# Altium PCB RockerBox_Rev04.PcbDoc (part 6 of 9)
Units mil, origin at the board's own origin, x right, y up, seen from the top; angles counter-clockwise.
Board outline 5354.33 x 8818.9 mil, 4 copper layers (L1, L2, L3, L4), stack 62.087 mil thick; 582 components, 159 nets, 3630 pads, 4701 vias.
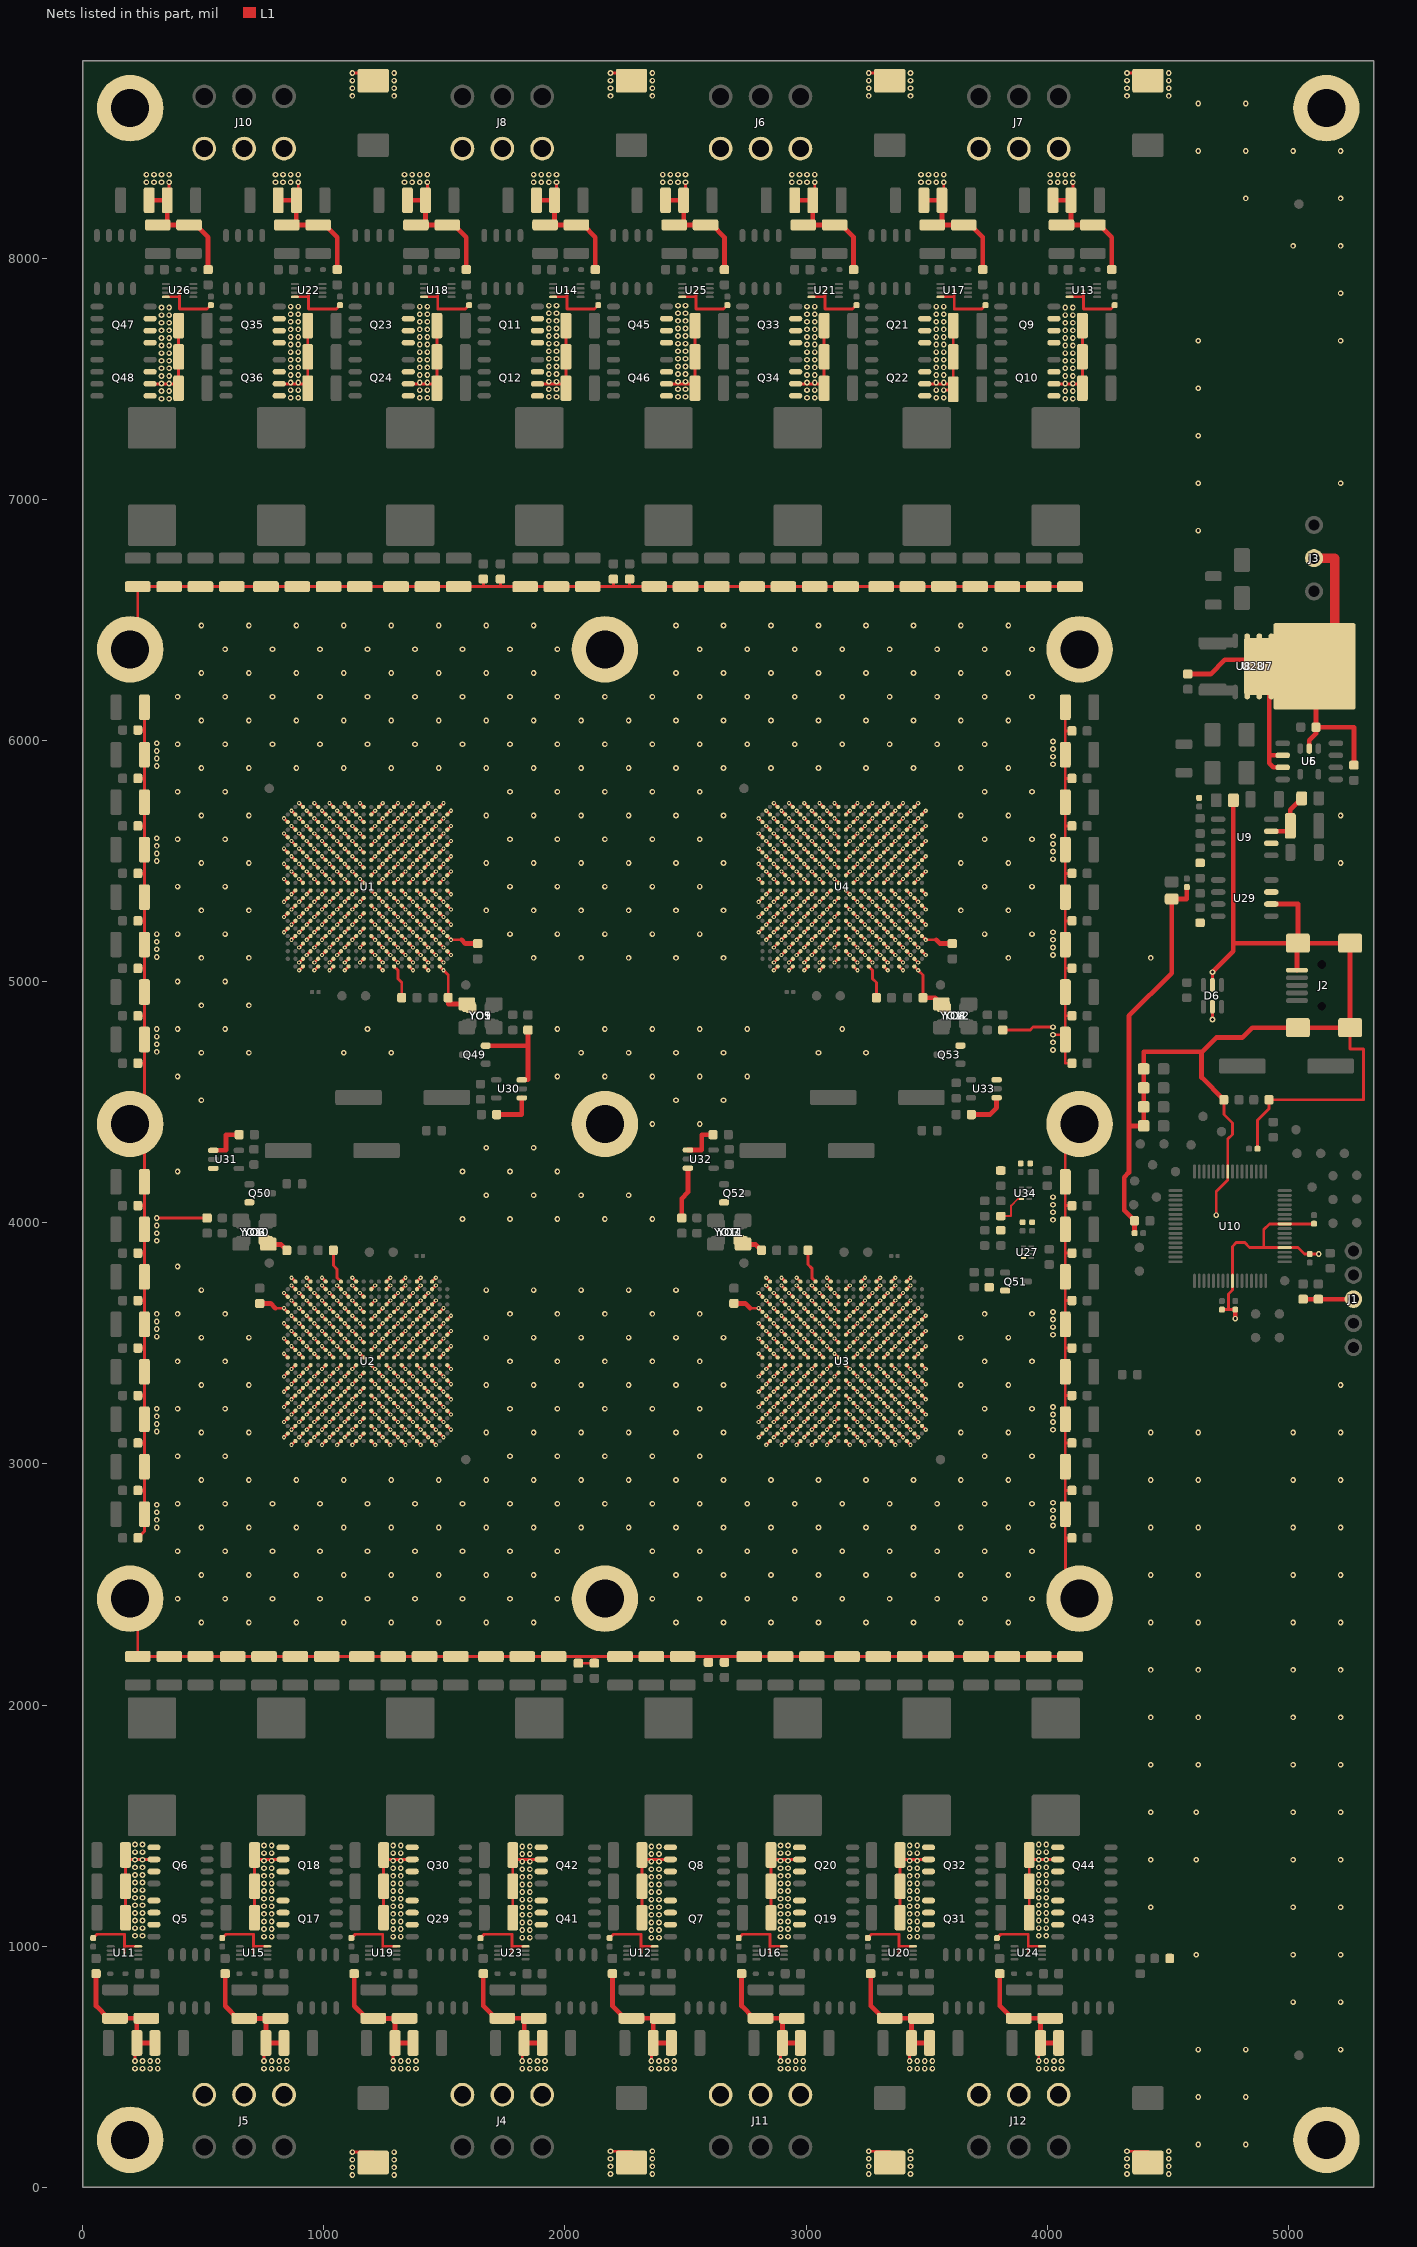
[diagram p8: the nets of this part, all layers, seen from the top]

## Via types
v1: diameter 23.62/23.62/23.62/23.62 (per signal layer), hole 11.81, L1 to L4, 2848 vias
v2: diameter 17.72/17.72/17.72/17.72 (per signal layer), hole 7.87, L1 to L4, 1853 vias

## Nets (pads, with @x,y where several pads share a name; then routed paths per layer and width w, separated by ;. In a path a pad name is that pad's centre, name@x,y a point inside that pad or via, vN(x,y) a via of type N, cw(c..) or ccw(c..) an arc to the next point about the centre after c; other vN are vias at no path point) (continued)
GND: (continued)
  L1 w11.81: C24.2@43.31,1033.46 59.06,1049.21 173.23,1049.21 173.23,999.02 U11.9@173.23,972.44 ; C410.1@177.17,1118.11 C408.1@177.17,1248.03 C409.1@177.17,1359.65 ; C409.1@177.17,1377.95 C409.1@177.17,1359.65 ; J18.1@196.85,2440.94 228.35,2409.45 228.35,2201.7 C35.1@228.66,2201.39 C236.1@358.58,2201.39 C34.1@488.5,2201.39 621.45,2201.39 C67.1@622.05,2200.79 2122.05,2200.79 ; J15.1@196.85,6377.95 228.35,6409.45 C147.1@228.35,6637.8 1661.42,6637.8 ; v1(216.54,523.62) 216.54,590.55 C420.1@224.41,598.43 ; C179.1@228.35,2692.91 255.91,2720.47 C215.1@255.91,2791.34 255.91,2889.76 ; C180.1@228.35,2889.76 255.91,2889.76 ; C182.1@228.35,3086.61 255.91,3086.61 ; C183.1@228.35,3283.46 255.91,3283.46 ; C184.1@228.35,3480.31 255.91,3480.31 ; C178.1@228.35,3677.17 255.91,3677.17 ; C177.1@228.35,3874.02 255.91,3874.02 ; C181.1@228.35,4070.87 255.91,4070.87 ; C148.1@228.35,4661.42 255.91,4661.42 ; C152.1@228.35,4858.27 255.91,4858.27 ; C151.1@228.35,5055.12 255.91,5055.12 ; C153.1@228.35,5251.97 255.91,5251.97 ; C149.1@228.35,5448.82 255.91,5448.82 ; C154.1@228.35,5645.67 255.91,5645.67 ; C155.1@228.35,5842.52 255.91,5842.52 ; C36.1@228.35,6043.31 255.91,6043.31 ; C157.1@255.91,6137.8 255.91,6043.31 ; Q48.2@279.53,7478.94 C370.1@397.64,7478.94 ; Q6.2@295.28,1359.65 C409.1@177.17,1359.65 ; v1(307.28,4019.68) C228.1@515.75,4019.68 ; C368.1@350.39,8240.16 358.27,8248.03 v1(358.27,8314.96) ; C370.1@397.64,7460.63 C370.1@397.64,7478.94 ; C372.1@397.64,7720.47 C371.1@397.64,7590.55 C370.1@397.64,7478.94 ; U26.9@401.57,7866.14 401.57,7839.57 401.57,7789.37 515.75,7789.37 C123.2@531.5,7805.12 ; C56.2@578.74,1033.46 594.49,1049.21 708.66,1049.21 708.66,999.02 U15.9@708.66,972.44 ; C413.1@712.6,1118.11 C411.1@712.6,1248.03 C412.1@712.6,1359.65 ; C412.1@712.6,1377.95 C412.1@712.6,1359.65 ; v1(751.97,523.62) 751.97,590.55 C422.1@759.84,598.43 ; 799.21,3645.67 v2(834.65,3645.67) U2.A18@850.39,3629.92 ; Q36.2@814.96,7478.94 C365.1@933.07,7478.94 ; Q18.2@830.71,1359.65 C412.1@712.6,1359.65 ; v2(834.65,3110.24) U2.A2@850.39,3125.98 ; v2(834.65,3173.23) U2.A4@850.39,3188.98 ; v2(834.65,3236.22) U2.A6@850.39,3251.97 ; v2(834.65,3299.21) U2.A8@850.39,3314.96 ; v2(834.65,3362.2) U2.A10@850.39,3377.95 ; v2(834.65,3456.69) U2.A12@850.39,3440.94 ; v2(834.65,3519.68) U2.A14@850.39,3503.94 ; v2(834.65,3582.68) U2.A16@850.39,3566.93 ; v2(834.65,3708.66) U2.A20@850.39,3692.91 ; v2(834.65,5204.72) U1.AB17@850.39,5220.47 ; v2(834.65,5267.72) U1.AB15@850.39,5283.46 ; v2(834.65,5330.71) U1.AB13@850.39,5346.46 ; v2(834.65,5425.2) U1.AB11@850.39,5409.45 ; v2(834.65,5488.19) U1.AB9@850.39,5472.44 ; v2(834.65,5551.18) U1.AB7@850.39,5535.43 ; v2(834.65,5614.17) U1.AB5@850.39,5598.43 ; v2(834.65,5677.17) U1.AB3@850.39,5661.42 ; v2(866.14,3078.74) U2.B1@881.89,3094.49 ; v2(866.14,3141.73) U2.B3@881.89,3157.48 ; v2(866.14,3204.72) U2.B5@881.89,3220.47 ; v2(866.14,3267.72) U2.B7@881.89,3283.46 ; v2(866.14,3330.71) U2.B9@881.89,3346.46 ; v2(866.14,3393.7) U2.B11@881.89,3409.45 ; v2(866.14,3488.19) U2.B13@881.89,3472.44 ; v2(866.14,3551.18) U2.B15@881.89,3535.43 ; v2(866.14,3614.17) U2.B17@881.89,3598.43 ; v2(866.14,3677.17) U2.B19@881.89,3661.42 ; v2(866.14,3740.16) U2.B21@881.89,3724.41 ; v2(866.14,3771.65) U2.B22@881.89,3755.91 ; v2(866.14,5173.23) U1.AA18@881.89,5188.98 ; v2(866.14,5236.22) U1.AA16@881.89,5251.97 ; v2(866.14,5299.21) U1.AA14@881.89,5314.96 ; v2(866.14,5362.2) U1.AA12@881.89,5377.95 ; v2(866.14,5456.69) U1.AA10@881.89,5440.94 ; v2(866.14,5519.68) U1.AA8@881.89,5503.94 ; v2(866.14,5582.68) U1.AA6@881.89,5566.93 ; v2(866.14,5645.67) U1.AA4@881.89,5629.92 ; v2(866.14,5708.66) U1.AA2@881.89,5692.91 ; C363.1@885.83,8240.16 893.7,8248.03 v1(893.7,8314.96) ; v2(897.64,3110.24) U2.C2@913.39,3125.98 ; v2(897.64,3173.23) U2.C4@913.39,3188.98 ; v2(897.64,3236.22) U2.C6@913.39,3251.97 ; v2(897.64,3299.21) U2.C8@913.39,3314.96 ; v2(897.64,3362.2) U2.C10@913.39,3377.95 ; v2(897.64,3456.69) U2.C12@913.39,3440.94 ; v2(897.64,3519.68) U2.C14@913.39,3503.94 ; v2(897.64,3582.68) U2.C16@913.39,3566.93 ; v2(897.64,3645.67) U2.C18@913.39,3629.92 ; v2(897.64,3708.66) U2.C20@913.39,3692.91 ; v2(897.64,5047.24) U1.Y22@913.39,5062.99 ; v2(897.64,5078.74) U1.Y21@913.39,5094.49 ; v2(897.64,5141.73) U1.Y19@913.39,5157.48 ; v2(897.64,5204.72) U1.Y17@913.39,5220.47 ; v2(897.64,5267.72) U1.Y15@913.39,5283.46 ; v2(897.64,5330.71) U1.Y13@913.39,5346.46 ; v2(897.64,5425.2) U1.Y11@913.39,5409.45 ; v2(897.64,5488.19) U1.Y9@913.39,5472.44 ; v2(897.64,5551.18) U1.Y7@913.39,5535.43 ; v2(897.64,5614.17) U1.Y5@913.39,5598.43 ; v2(897.64,5677.17) U1.Y3@913.39,5661.42 ; v2(897.64,5740.16) U1.Y1@913.39,5724.41 ; v2(929.13,3078.74) U2.D1@944.88,3094.49 ; v2(929.13,3141.73) U2.D3@944.88,3157.48 ; v2(929.13,3204.72) U2.D5@944.88,3220.47 ; v2(929.13,3267.72) U2.D7@944.88,3283.46 ; v2(929.13,3330.71) U2.D9@944.88,3346.46 ; v2(929.13,3393.7) U2.D11@944.88,3409.45 ; v2(929.13,3488.19) U2.D13@944.88,3472.44 ; v2(929.13,3551.18) U2.D15@944.88,3535.43 ; v2(929.13,3614.17) U2.D17@944.88,3598.43 ; v2(929.13,3677.17) U2.D19@944.88,3661.42 ; v2(929.13,3740.16) U2.D21@944.88,3724.41 ; v2(929.13,3771.65) U2.D22@944.88,3755.91 ; v2(929.13,5110.24) U1.W20@944.88,5125.98 ; v2(929.13,5173.23) U1.W18@944.88,5188.98 ; v2(929.13,5236.22) U1.W16@944.88,5251.97 ; v2(929.13,5299.21) U1.W14@944.88,5314.96 ; v2(929.13,5362.2) U1.W12@944.88,5377.95 ; v2(929.13,5456.69) U1.W10@944.88,5440.94 ; v2(929.13,5519.68) U1.W8@944.88,5503.94 ; v2(929.13,5582.68) U1.W6@944.88,5566.93 ; v2(929.13,5645.67) U1.W4@944.88,5629.92 ; v2(929.13,5708.66) U1.W2@944.88,5692.91 ; C365.1@933.07,7460.63 C365.1@933.07,7478.94 ; C367.1@933.07,7720.47 C365.1@933.07,7478.94 ; U22.9@937.01,7866.14 937.01,7839.57 937.01,7789.37 1051.18,7789.37 C91.2@1066.93,7805.12 ; v2(960.63,3110.24) U2.E2@976.38,3125.98 ; v2(960.63,3173.23) U2.E4@976.38,3188.98 ; v2(960.63,3236.22) U2.E6@976.38,3251.97 ; v2(960.63,3299.21) U2.E8@976.38,3314.96 ; v2(960.63,3362.2) U2.E10@976.38,3377.95 ; v2(960.63,3456.69) U2.E12@976.38,3440.94 ; v2(960.63,3519.68) U2.E14@976.38,3503.94 ; v2(960.63,3582.68) U2.E16@976.38,3566.93 ; v2(960.63,3645.67) U2.E18@976.38,3629.92 ; v2(960.63,3708.66) U2.E20@976.38,3692.91 ; v2(960.63,5047.24) U1.V22@976.38,5062.99 ; v2(960.63,5078.74) U1.V21@976.38,5094.49 ; v2(960.63,5141.73) U1.V19@976.38,5157.48 ; v2(960.63,5204.72) U1.V17@976.38,5220.47 ; v2(960.63,5267.72) U1.V15@976.38,5283.46 ; v2(960.63,5330.71) U1.V13@976.38,5346.46 ; v2(960.63,5425.2) U1.V11@976.38,5409.45 ; v2(960.63,5488.19) U1.V9@976.38,5472.44 ; v2(960.63,5551.18) U1.V7@976.38,5535.43 ; v2(960.63,5614.17) U1.V5@976.38,5598.43 ; v2(960.63,5677.17) U1.V3@976.38,5661.42 ; v2(960.63,5740.16) U1.V1@976.38,5724.41 ; v2(992.13,3078.74) U2.F1@1007.87,3094.49 ; v2(992.13,3141.73) U2.F3@1007.87,3157.48 ; v2(992.13,3204.72) U2.F5@1007.87,3220.47 ; v2(992.13,3267.72) U2.F7@1007.87,3283.46 ; v2(992.13,3330.71) U2.F9@1007.87,3346.46 ; v2(992.13,3393.7) U2.F11@1007.87,3409.45 ; v2(992.13,3488.19) U2.F13@1007.87,3472.44 ; v2(992.13,3551.18) U2.F15@1007.87,3535.43 ; v2(992.13,3614.17) U2.F17@1007.87,3598.43 ; v2(992.13,3677.17) U2.F19@1007.87,3661.42 ; v2(992.13,3740.16) U2.F21@1007.87,3724.41 ; v2(992.13,3771.65) U2.F22@1007.87,3755.91 ; v2(992.13,5110.24) U1.U20@1007.87,5125.98 ; v2(992.13,5173.23) U1.U18@1007.87,5188.98 ; v2(992.13,5236.22) U1.U16@1007.87,5251.97 ; v2(992.13,5299.21) U1.U14@1007.87,5314.96 ; v2(992.13,5362.2) U1.U12@1007.87,5377.95 ; v2(992.13,5456.69) U1.U10@1007.87,5440.94 ; v2(992.13,5519.68) U1.U8@1007.87,5503.94 ; v2(992.13,5582.68) U1.U6@1007.87,5566.93 ; v2(992.13,5645.67) U1.U4@1007.87,5629.92 ; v2(992.13,5708.66) U1.U2@1007.87,5692.91 ; v2(1023.62,3110.24) U2.G2@1039.37,3125.98 ; v2(1023.62,3173.23) U2.G4@1039.37,3188.98 ; v2(1023.62,3236.22) U2.G6@1039.37,3251.97 ; v2(1023.62,3299.21) U2.G8@1039.37,3314.96 ; v2(1023.62,3362.2) U2.G10@1039.37,3377.95 ; v2(1023.62,3456.69) U2.G12@1039.37,3440.94 ; v2(1023.62,3519.68) U2.G14@1039.37,3503.94 ; v2(1023.62,3582.68) U2.G16@1039.37,3566.93 ; v2(1023.62,3645.67) U2.G18@1039.37,3629.92 ; v2(1023.62,3708.66) U2.G20@1039.37,3692.91 ; v2(1023.62,5047.24) U1.T22@1039.37,5062.99 ; v2(1023.62,5078.74) U1.T21@1039.37,5094.49 ; v2(1023.62,5141.73) U1.T19@1039.37,5157.48 ; v2(1023.62,5204.72) U1.T17@1039.37,5220.47 ; v2(1023.62,5267.72) U1.T15@1039.37,5283.46 ; v2(1023.62,5330.71) U1.T13@1039.37,5346.46 ; v2(1023.62,5425.2) U1.T11@1039.37,5409.45 ; v2(1023.62,5488.19) U1.T9@1039.37,5472.44 ; v2(1023.62,5551.18) U1.T7@1039.37,5535.43 ; v2(1023.62,5614.17) U1.T5@1039.37,5598.43 ; v2(1023.62,5677.17) U1.T3@1039.37,5661.42 ; v2(1023.62,5740.16) U1.T1@1039.37,5724.41 ; C245.2@1039.37,3885.83 1039.37,3822.83 1055.12,3807.09 1055.12,3771.65 U2.H22@1070.87,3755.91 ; v2(1055.12,3078.74) U2.H1@1070.87,3094.49 ; v2(1055.12,3141.73) U2.H3@1070.87,3157.48 ; v2(1055.12,3204.72) U2.H5@1070.87,3220.47 ; v2(1055.12,3267.72) U2.H7@1070.87,3283.46 ; v2(1055.12,3330.71) U2.H9@1070.87,3346.46 ; v2(1055.12,3393.7) U2.H11@1070.87,3409.45 ; v2(1055.12,3488.19) U2.H13@1070.87,3472.44 ; v2(1055.12,3551.18) U2.H15@1070.87,3535.43 ; v2(1055.12,3614.17) U2.H17@1070.87,3598.43 ; v2(1055.12,3677.17) U2.H19@1070.87,3661.42 ; v2(1055.12,3740.16) U2.H21@1070.87,3724.41 ; v2(1055.12,5110.24) U1.R20@1070.87,5125.98 ; v2(1055.12,5173.23) U1.R18@1070.87,5188.98 ; v2(1055.12,5236.22) U1.R16@1070.87,5251.97 ; v2(1055.12,5299.21) U1.R14@1070.87,5314.96 ; v2(1055.12,5362.2) U1.R12@1070.87,5377.95 ; v2(1055.12,5456.69) U1.R10@1070.87,5440.94 ; v2(1055.12,5519.68) U1.R8@1070.87,5503.94 ; v2(1055.12,5582.68) U1.R6@1070.87,5566.93 ; v2(1055.12,5645.67) U1.R4@1070.87,5629.92 ; v2(1055.12,5708.66) U1.R2@1070.87,5692.91 ; v2(1086.61,3110.24) U2.J2@1102.36,3125.98 ; v2(1086.61,3173.23) U2.J4@1102.36,3188.98 ; v2(1086.61,3236.22) U2.J6@1102.36,3251.97 ; v2(1086.61,3299.21) U2.J8@1102.36,3314.96 ; v2(1086.61,3362.2) U2.J10@1102.36,3377.95 ; v2(1086.61,3456.69) U2.J12@1102.36,3440.94 ; v2(1086.61,3519.68) U2.J14@1102.36,3503.94 ; v2(1086.61,3582.68) U2.J16@1102.36,3566.93 ; v2(1086.61,3645.67) U2.J18@1102.36,3629.92 ; v2(1086.61,3708.66) U2.J20@1102.36,3692.91 ; v2(1086.61,5047.24) U1.P22@1102.36,5062.99 ; v2(1086.61,5078.74) U1.P21@1102.36,5094.49 ; v2(1086.61,5141.73) U1.P19@1102.36,5157.48 ; v2(1086.61,5204.72) U1.P17@1102.36,5220.47 ; v2(1086.61,5267.72) U1.P15@1102.36,5283.46 ; v2(1086.61,5330.71) U1.P13@1102.36,5346.46 ; v2(1086.61,5425.2) U1.P11@1102.36,5409.45 ; v2(1086.61,5488.19) U1.P9@1102.36,5472.44 ; v2(1086.61,5551.18) U1.P7@1102.36,5535.43 ; v2(1086.61,5614.17) U1.P5@1102.36,5598.43 ; v2(1086.61,5677.17) U1.P3@1102.36,5661.42 ; v2(1086.61,5740.16) U1.P1@1102.36,5724.41 ; C88.2@1114.17,1033.46 1129.92,1049.21 1244.09,1049.21 1244.09,999.02 U19.9@1244.09,972.44 ; v1(1118.11,145.67) 1204.72,145.67 D28.2@1204.72,102.36 ; v2(1118.11,3078.74) U2.K1@1133.86,3094.49 ; v2(1118.11,3141.73) U2.K3@1133.86,3157.48 ; v2(1118.11,3204.72) U2.K5@1133.86,3220.47 ; v2(1118.11,3267.72) U2.K7@1133.86,3283.46 ; v2(1118.11,3330.71) U2.K9@1133.86,3346.46 ; v2(1118.11,3393.7) U2.K11@1133.86,3409.45 ; v2(1118.11,3488.19) U2.K13@1133.86,3472.44 ; v2(1118.11,3551.18) U2.K15@1133.86,3535.43 ; v2(1118.11,3614.17) U2.K17@1133.86,3598.43 ; v2(1118.11,3677.17) U2.K19@1133.86,3661.42 ; v2(1118.11,3740.16) U2.K21@1133.86,3724.41 ; v2(1118.11,3771.65) U2.K22@1133.86,3755.91 ; v2(1118.11,5173.23) U1.N18@1133.86,5188.98 ; v2(1118.11,5236.22) U1.N16@1133.86,5251.97 ; v2(1118.11,5299.21) U1.N14@1133.86,5314.96 ; v2(1118.11,5362.2) U1.N12@1133.86,5377.95 ; v2(1118.11,5456.69) U1.N10@1133.86,5440.94 ; v2(1118.11,5519.68) U1.N8@1133.86,5503.94 ; v2(1118.11,5582.68) U1.N6@1133.86,5566.93 ; v2(1118.11,5645.67) U1.N4@1133.86,5629.92 ; v2(1118.11,5708.66) U1.N2@1133.86,5692.91 ; v1(1118.11,8767.72) 1204.72,8767.72 D29.2@1204.72,8736.22 ; v2(1149.61,3110.24) U2.L2@1165.35,3125.98 ; v2(1149.61,3173.23) U2.L4@1165.35,3188.98 ; v2(1149.61,3236.22) U2.L6@1165.35,3251.97 ; v2(1149.61,3299.21) U2.L8@1165.35,3314.96 ; v2(1149.61,3362.2) U2.L10@1165.35,3377.95 ; v2(1149.61,3456.69) U2.L12@1165.35,3440.94 ; v2(1149.61,3519.68) U2.L14@1165.35,3503.94 ; v2(1149.61,3582.68) U2.L16@1165.35,3566.93 ; v2(1149.61,3645.67) U2.L18@1165.35,3629.92 ; v2(1149.61,3708.66) U2.L20@1165.35,3692.91 ; v2(1149.61,5078.74) U1.M21@1165.35,5094.49 ; v2(1149.61,5141.73) U1.M19@1165.35,5157.48 ; v2(1149.61,5204.72) U1.M17@1165.35,5220.47 ; v2(1149.61,5267.72) U1.M15@1165.35,5283.46 ; v2(1149.61,5330.71) U1.M13@1165.35,5346.46 ; v2(1149.61,5425.2) U1.M11@1165.35,5409.45 ; v2(1149.61,5488.19) U1.M9@1165.35,5472.44 ; v2(1149.61,5551.18) U1.M7@1165.35,5535.43 ; v2(1149.61,5614.17) U1.M5@1165.35,5598.43 ; v2(1149.61,5677.17) U1.M3@1165.35,5661.42 ; v2(1149.61,5740.16) U1.M1@1165.35,5724.41 ; U2.M1@1196.85,3094.49 v2(1212.6,3078.74) ; U2.M3@1196.85,3157.48 v2(1212.6,3141.73) ; U2.M5@1196.85,3220.47 v2(1212.6,3204.72) ; U2.M7@1196.85,3283.46 v2(1212.6,3267.72) ; U2.M9@1196.85,3346.46 v2(1212.6,3330.71) ; U2.M11@1196.85,3409.45 v2(1212.6,3393.7) ; U2.M13@1196.85,3472.44 v2(1212.6,3488.19) ; U2.M15@1196.85,3535.43 v2(1212.6,3551.18) ; U2.M17@1196.85,3598.43 v2(1212.6,3614.17) ; U2.M19@1196.85,3661.42 v2(1212.6,3677.17) ; U2.M21@1196.85,3724.41 v2(1212.6,3740.16) ; U1.L20@1196.85,5125.98 v2(1212.6,5110.24) ; U1.L18@1196.85,5188.98 v2(1212.6,5173.23) ; U1.L16@1196.85,5251.97 v2(1212.6,5236.22) ; U1.L14@1196.85,5314.96 v2(1212.6,5299.21) ; U1.L12@1196.85,5377.95 v2(1212.6,5362.2) ; U1.L10@1196.85,5440.94 v2(1212.6,5456.69) ; U1.L8@1196.85,5503.94 v2(1212.6,5519.68) ; U1.L6@1196.85,5566.93 v2(1212.6,5582.68) ; U1.L4@1196.85,5629.92 v2(1212.6,5645.67) ; U1.L2@1196.85,5692.91 v2(1212.6,5708.66) ; U2.N2@1228.35,3125.98 v2(1244.09,3110.24) ; U2.N4@1228.35,3188.98 v2(1244.09,3173.23) ; U2.N6@1228.35,3251.97 v2(1244.09,3236.22) ; U2.N8@1228.35,3314.96 v2(1244.09,3299.21) ; U2.N10@1228.35,3377.95 v2(1244.09,3362.2) ; U2.N12@1228.35,3440.94 v2(1244.09,3456.69) ; U2.N14@1228.35,3503.94 v2(1244.09,3519.68) ; U2.N16@1228.35,3566.93 v2(1244.09,3582.68) ; U2.N18@1228.35,3629.92 v2(1244.09,3645.67) ; U1.K22@1228.35,5062.99 v2(1244.09,5047.24) ; U1.K21@1228.35,5094.49 v2(1244.09,5078.74) ; U1.K19@1228.35,5157.48 v2(1244.09,5141.73) ; U1.K17@1228.35,5220.47 v2(1244.09,5204.72) ; U1.K15@1228.35,5283.46 v2(1244.09,5267.72) ; U1.K13@1228.35,5346.46 v2(1244.09,5330.71) ; U1.K11@1228.35,5409.45 v2(1244.09,5425.2) ; U1.K9@1228.35,5472.44 v2(1244.09,5488.19) ; U1.K7@1228.35,5535.43 v2(1244.09,5551.18) ; U1.K5@1228.35,5598.43 v2(1244.09,5614.17) ; U1.K3@1228.35,5661.42 v2(1244.09,5677.17) ; U1.K1@1228.35,5724.41 v2(1244.09,5740.16) ; C416.1@1248.03,1118.11 C414.1@1248.03,1248.03 C415.1@1248.03,1359.65 ; C415.1@1248.03,1377.95 C415.1@1248.03,1359.65 ; U2.P1@1259.84,3094.49 v2(1275.59,3078.74) ; U2.P3@1259.84,3157.48 v2(1275.59,3141.73) ; U2.P5@1259.84,3220.47 v2(1275.59,3204.72) ; U2.P7@1259.84,3283.46 v2(1275.59,3267.72) ; U2.P9@1259.84,3346.46 v2(1275.59,3330.71) ; U2.P11@1259.84,3409.45 v2(1275.59,3393.7) ; U2.P13@1259.84,3472.44 v2(1275.59,3488.19) ; U2.P15@1259.84,3535.43 v2(1275.59,3551.18) ; U2.P17@1259.84,3598.43 v2(1275.59,3614.17) ; U2.P19@1259.84,3661.42 v2(1275.59,3677.17) ; U2.P21@1259.84,3724.41 v2(1275.59,3740.16) ; U2.P22@1259.84,3755.91 v2(1275.59,3771.65) ; U1.J20@1259.84,5125.98 v2(1275.59,5110.24) ; U1.J18@1259.84,5188.98 v2(1275.59,5173.23) ; U1.J16@1259.84,5251.97 v2(1275.59,5236.22) ; U1.J14@1259.84,5314.96 v2(1275.59,5299.21) ; U1.J12@1259.84,5377.95 v2(1275.59,5362.2) ; U1.J10@1259.84,5440.94 v2(1275.59,5456.69) ; U1.J8@1259.84,5503.94 v2(1275.59,5519.68) ; U1.J6@1259.84,5566.93 v2(1275.59,5582.68) ; U1.J4@1259.84,5629.92 v2(1275.59,5645.67) ; U1.J2@1259.84,5692.91 v2(1275.59,5708.66) ; v1(1287.4,523.62) 1287.4,590.55 C424.1@1295.28,598.43 ; U2.R2@1291.34,3125.98 v2(1307.09,3110.24) ; U2.R4@1291.34,3188.98 v2(1307.09,3173.23) ; U2.R6@1291.34,3251.97 v2(1307.09,3236.22) ; U2.R8@1291.34,3314.96 v2(1307.09,3299.21) ; U2.R10@1291.34,3377.95 v2(1307.09,3362.2) ; U2.R12@1291.34,3440.94 v2(1307.09,3456.69) ; U2.R14@1291.34,3503.94 v2(1307.09,3519.68) ; U2.R16@1291.34,3566.93 v2(1307.09,3582.68) ; U2.R18@1291.34,3629.92 v2(1307.09,3645.67) ; U2.R20@1291.34,3692.91 v2(1307.09,3708.66) ; U1.H22@1291.34,5062.99 1307.09,5047.24 1307.09,5011.81 1323.03,4995.87 1323.03,4933.27 C243.2@1322.83,4933.07 ; U1.H21@1291.34,5094.49 v2(1307.09,5078.74) ; U1.H19@1291.34,5157.48 v2(1307.09,5141.73) ; U1.H17@1291.34,5220.47 v2(1307.09,5204.72) ; U1.H15@1291.34,5283.46 v2(1307.09,5267.72) ; U1.H13@1291.34,5346.46 v2(1307.09,5330.71) ; U1.H11@1291.34,5409.45 v2(1307.09,5425.2) ; U1.H9@1291.34,5472.44 v2(1307.09,5488.19) ; U1.H7@1291.34,5535.43 v2(1307.09,5551.18) ; U1.H5@1291.34,5598.43 v2(1307.09,5614.17) ; U1.H3@1291.34,5661.42 v2(1307.09,5677.17) ; U1.H1@1291.34,5724.41 v2(1307.09,5740.16) ; U2.T1@1322.83,3094.49 v2(1338.58,3078.74) ; U2.T3@1322.83,3157.48 v2(1338.58,3141.73) ; U2.T5@1322.83,3220.47 v2(1338.58,3204.72) ; U2.T7@1322.83,3283.46 v2(1338.58,3267.72) ; U2.T9@1322.83,3346.46 v2(1338.58,3330.71) ; U2.T11@1322.83,3409.45 v2(1338.58,3393.7) ; U2.T13@1322.83,3472.44 v2(1338.58,3488.19) ; U2.T15@1322.83,3535.43 v2(1338.58,3551.18) ; U2.T17@1322.83,3598.43 v2(1338.58,3614.17) ; U2.T19@1322.83,3661.42 v2(1338.58,3677.17) ; U2.T21@1322.83,3724.41 v2(1338.58,3740.16) ; U2.T22@1322.83,3755.91 v2(1338.58,3771.65) ; U1.G20@1322.83,5125.98 v2(1338.58,5110.24) ; U1.G18@1322.83,5188.98 v2(1338.58,5173.23) ; U1.G16@1322.83,5251.97 v2(1338.58,5236.22) ; U1.G14@1322.83,5314.96 v2(1338.58,5299.21) ; U1.G12@1322.83,5377.95 v2(1338.58,5362.2) ; U1.G10@1322.83,5440.94 v2(1338.58,5456.69) ; U1.G8@1322.83,5503.94 v2(1338.58,5519.68) ; U1.G6@1322.83,5566.93 v2(1338.58,5582.68) ; U1.G4@1322.83,5629.92 v2(1338.58,5645.67) ; U1.G2@1322.83,5692.91 v2(1338.58,5708.66) ; Q24.2@1350.39,7478.94 C362.1@1468.5,7478.94 ; U2.U2@1354.33,3125.98 v2(1370.08,3110.24) ; U2.U4@1354.33,3188.98 v2(1370.08,3173.23) ; U2.U6@1354.33,3251.97 v2(1370.08,3236.22) ; U2.U8@1354.33,3314.96 v2(1370.08,3299.21) ; U2.U10@1354.33,3377.95 v2(1370.08,3362.2) ; U2.U12@1354.33,3440.94 v2(1370.08,3456.69) ; U2.U14@1354.33,3503.94 v2(1370.08,3519.68) ; U2.U16@1354.33,3566.93 v2(1370.08,3582.68) ; U2.U18@1354.33,3629.92 v2(1370.08,3645.67) ; U2.U20@1354.33,3692.91 v2(1370.08,3708.66) ; U1.F22@1354.33,5062.99 v2(1370.08,5047.24) ; U1.F21@1354.33,5094.49 v2(1370.08,5078.74) ; U1.F19@1354.33,5157.48 v2(1370.08,5141.73) ; U1.F17@1354.33,5220.47 v2(1370.08,5204.72) ; U1.F15@1354.33,5283.46 v2(1370.08,5267.72) ; U1.F13@1354.33,5346.46 v2(1370.08,5330.71) ; U1.F11@1354.33,5409.45 v2(1370.08,5425.2) ; U1.F9@1354.33,5472.44 v2(1370.08,5488.19) ; U1.F7@1354.33,5535.43 v2(1370.08,5551.18) ; U1.F5@1354.33,5598.43 v2(1370.08,5614.17) ; U1.F3@1354.33,5661.42 v2(1370.08,5677.17) ; U1.F1@1354.33,5724.41 v2(1370.08,5740.16) ; Q30.2@1366.14,1359.65 C415.1@1248.03,1359.65 ; U2.V1@1385.83,3094.49 v2(1401.57,3078.74) ; U2.V3@1385.83,3157.48 v2(1401.57,3141.73) ; U2.V5@1385.83,3220.47 v2(1401.57,3204.72) ; U2.V7@1385.83,3283.46 v2(1401.57,3267.72) ; U2.V9@1385.83,3346.46 v2(1401.57,3330.71) ; U2.V11@1385.83,3409.45 v2(1401.57,3393.7) ; U2.V13@1385.83,3472.44 v2(1401.57,3488.19) ; U2.V15@1385.83,3535.43 v2(1401.57,3551.18) ; U2.V17@1385.83,3598.43 v2(1401.57,3614.17) ; U2.V19@1385.83,3661.42 v2(1401.57,3677.17) ; U2.V21@1385.83,3724.41 v2(1401.57,3740.16) ; U2.V22@1385.83,3755.91 v2(1401.57,3771.65) ; U1.E20@1385.83,5125.98 v2(1401.57,5110.24) ; U1.E18@1385.83,5188.98 v2(1401.57,5173.23) ; U1.E16@1385.83,5251.97 v2(1401.57,5236.22) ; U1.E14@1385.83,5314.96 v2(1401.57,5299.21) ; U1.E12@1385.83,5377.95 v2(1401.57,5362.2) ; U1.E10@1385.83,5440.94 v2(1401.57,5456.69) ; U1.E8@1385.83,5503.94 v2(1401.57,5519.68) ; U1.E6@1385.83,5566.93 v2(1401.57,5582.68) ; U1.E4@1385.83,5629.92 v2(1401.57,5645.67) ; U1.E2@1385.83,5692.91 v2(1401.57,5708.66) ; U2.W2@1417.32,3125.98 v2(1433.07,3110.24) ; U2.W4@1417.32,3188.98 v2(1433.07,3173.23) ; U2.W6@1417.32,3251.97 v2(1433.07,3236.22) ; U2.W8@1417.32,3314.96 v2(1433.07,3299.21) ; U2.W10@1417.32,3377.95 v2(1433.07,3362.2) ; U2.W12@1417.32,3440.94 